# KiCad board pcb.kicad_pcb (continued)
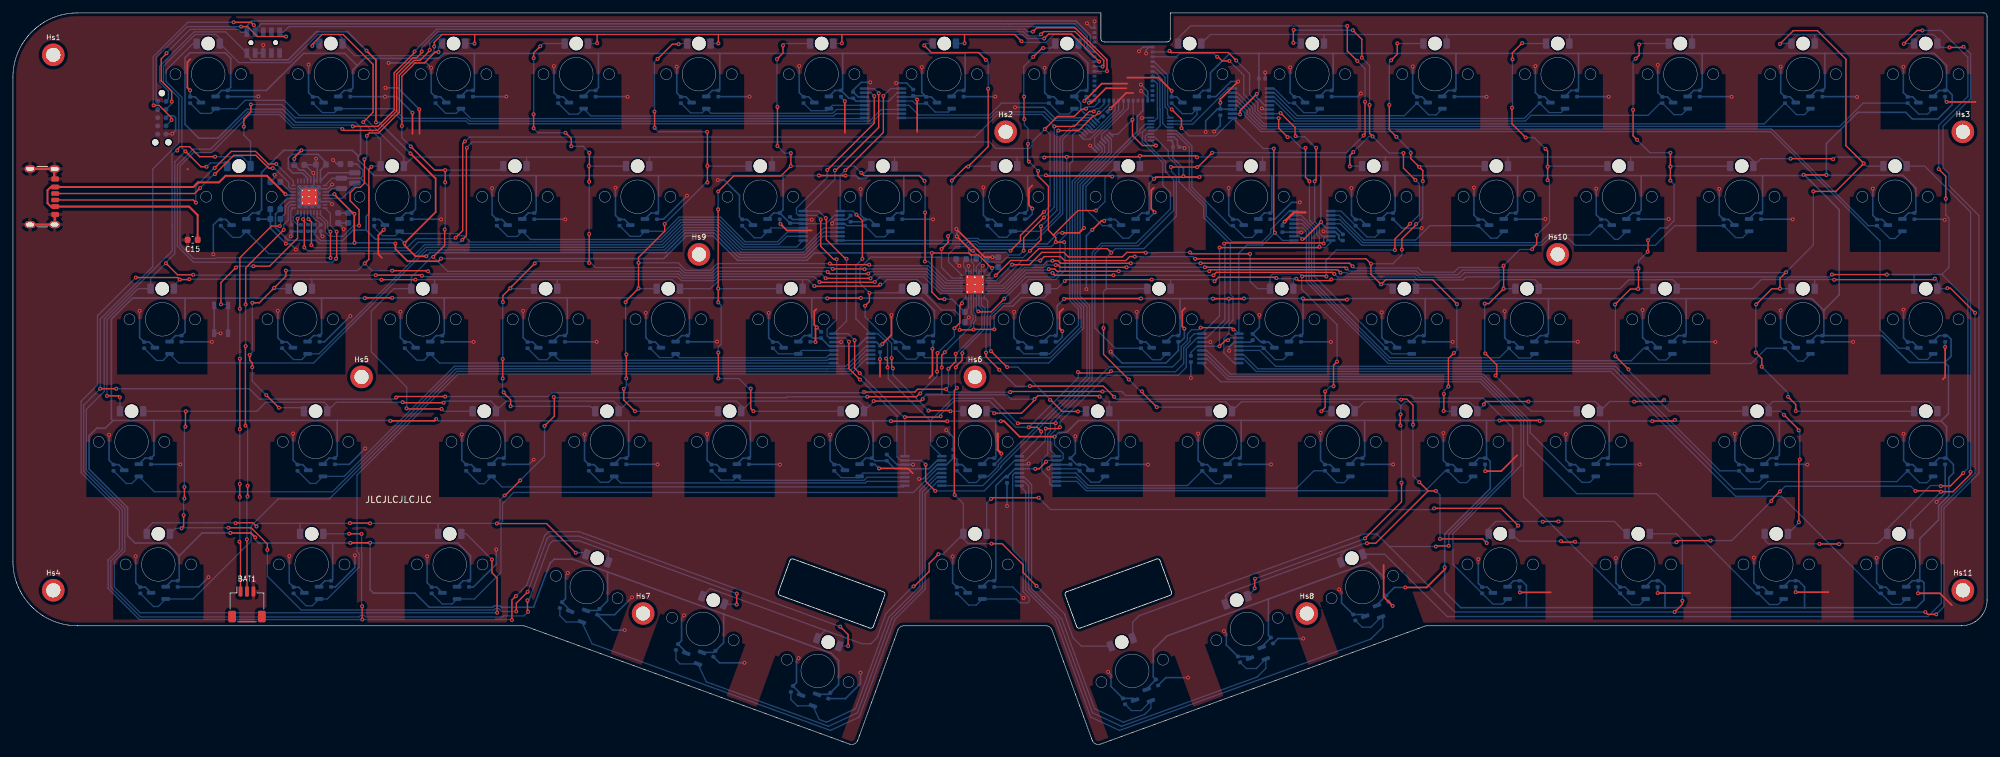
[diagram p0: board, top side]
## Routing (per net, layer and track width the routed paths; a pad name or vN(x,y) marks a point on that pad's centre or on a via; arc(x,y) is an arc through that point) (continued)
VCCS: length 2244.1
  Top w0.2: v1(188.19,62.61) 187.81,62.61 v1(186.87,61.67) ; v1(158.32,42.67) 158.93,42.67 160.01,43.76 v1(160.01,43.78)
  Top w0.25: v1(170.25,87.98) 170.14,88.09 160.07,88.09 v1(159.98,88.18) ; v1(128.95,88.13) 128.94,88.14 v1(124.82,88.14) ; v1(153.01,50.06) 153.52,50.06 155.92,47.66 v1(161.33,47.66) ; v1(135.98,50.08) 136.01,50.05 v1(144.71,50.05) ; v1(183.76,87.9) 181.32,87.9 181.28,87.93 v1(181.28,88.03) 181.15,87.9 177.01,87.9 v1(176.73,87.62) ; v1(221.75,27.41) 221.75,27.09 218.94,24.28 v1(215.64,24.28) ; v1(162.8,69) 162.88,69.07 v1(174.7,69.07) ; v1(230.24,50.17) 236.39,50.17 v1(236.47,50.09) ; v1(131.33,69.15) 126.16,69.15 v1(126.11,69.1) ; v1(54.51,69.14) 54.54,69.17 v1(58.74,69.17) ; v1(202.6,80.92) 202.6,80.91 199.98,78.3 v1(199.68,78.3) ; v1(185.86,69.05) v1(188.32,69.05) 190.63,69.05 v1(190.66,69.08) ; v1(253.88,50.05) 253.92,50.09 257.23,50.09 v1(257.4,50.26) ; v1(199.79,69.08) 199.97,68.9 v1(206.62,68.9) ; v1(52.24,31.2) 55.3,31.2 v1(55.32,31.22) ; v1(65.56,50.4) 65.27,50.11 v1(58.43,50.11) ; v1(192.65,100.79) 190.05,98.19 v1(190.05,97.61) ; v1(37.54,32.04) 36.86,32.73 33.66,32.73 v1(33.66,32.73) ; v1(43.58,90.7) 43.58,90.94 v1(44.68,92.05) ; v1(280.86,88.22) 277.36,88.22 v1(277.32,88.26)
  Bottom w0.2: v1(160.01,43.78) 160.21,43.97 MUXB8.2 162.35,43.97 162.65,44.27 162.65,45.03 161.32,46.37 161.32,47.65 v1(161.33,47.66) ; MUXB2.2 127.24,81.97 125.94,80.67 MUXB2.13 ; MUXB7.2 188.56,62.97 v1(188.19,62.61) ; v1(188.32,69.05) 188.32,65.68 186.87,64.23 v1(186.87,61.67) MUXB7.13 183.4,61.67 182.44,60.71 C19.2 ; MUXB1.2 136.96,100.97 135.66,99.67 MUXB1.13 ; MUXB8.13 v1(158.32,42.67)
  Bottom w0.25: v1(128.95,88.13) 130.62,88.13 131.06,87.69 132.08,87.69 132.52,88.13 137.97,88.13 ; TMR28.1 269.82,82.33 Cvcc28.1 270.98,82.56 270.98,88.14 ; 53.48,91.15 53.84,91.5 53.84,95.59 53.05,96.38 43.81,96.38 41.79,98.4 36.19,98.4 31.72,93.93 28.79,93.93 26.65,96.06 26.65,106.39 27.43,107.17 32.87,107.17 33.73,106.31 33.73,101.81 Cvcc1.1 ; 53.48,91.15 53.48,90.58 55.93,88.14 62.34,88.14 ; 53.48,91.15 52.58,92.05 v1(44.68,92.05) 41.94,92.05 38.51,88.62 38.51,82.84 Cvcc16.1 37.07,82.33 TMR16.1 ; 152.17,50.07 152.99,50.07 v1(153.01,50.06) ; 152.17,50.07 152.23,50.02 152.23,44.55 Cvcc51.1 151.07,44.33 TMR51.1 ; 152.17,50.07 144.74,50.07 v1(144.71,50.05) ; TMR21.1 136.82,82.33 Cvcc21.1 137.98,82.55 137.98,88.12 137.97,88.13 ; TMR1.1 32.32,101.33 Cvcc1.1 ; TMR33.1 84.57,63.33 Cvcc33.1 85.86,63.69 85.86,69.17 ; Cvcc55.1 228.31,44.33 228.8,43.84 228.8,39.6 221.75,32.55 v1(221.75,27.41) 221.75,23.64 224.24,21.15 234.41,21.15 ; Cvcc55.1 228.23,44.55 228.23,50.16 228.22,50.17 ; Cvcc55.1 227.07,44.33 TMR55.1 ; 15.46,50.17 21.85,50.17 ; 15.46,50.17 15.46,50.12 14.31,48.98 12.99,48.98 11.79,47.78 11.79,42.62 17.75,36.66 17.75,32.34 18.92,31.17 23.76,31.17 25.75,29.18 ; 15.46,50.17 15.25,50.38 15.25,65.86 18.52,69.14 26.66,69.14 ; 21.85,50.17 21.85,44.8 Cvcc45.1 20.44,44.33 TMR45.1 ; 21.85,50.17 50.23,50.17 ; 92.1,26.69 110.11,20.14 ; 92.1,26.69 92.1,26.69 92.1,22.22 Cvcc62.1 90.6,20.71 TMR62.1 ; 92.1,26.69 89.81,27.52 ; 110.11,20.14 126.74,14.08 127.88,12.95 127.88,9.22 Cvcc64.1 126.37,7.71 TMR64.1 ; 110.11,20.14 110.08,20.1 110.08,15.72 Cvcc63.1 108.57,14.21 TMR63.1 ; 81.04,88.14 99.98,88.14 ; 81.04,88.14 62.34,88.14 ; 81.04,88.14 81.04,82.62 Cvcc18.1 79.82,82.33 TMR18.1 ; 99.98,88.14 99.98,82.56 Cvcc19.1 98.82,82.33 TMR19.1 ; 99.98,88.14 119.28,88.14 ; 123.71,69.17 123.73,69.15 123.73,63.55 Cvcc35.1 ; 123.71,69.17 104.79,69.17 ; 123.71,69.17 126.04,69.17 v1(126.11,69.1) ; 47.81,69.14 47.81,63.64 Cvcc31.1 46.57,63.33 TMR31.1 ; 47.81,69.14 v1(54.51,69.14) ; 47.81,69.14 26.66,69.14 ; 133.22,50.11 135.95,50.11 v1(135.98,50.08) ; 133.22,50.11 133.23,50.1 133.23,44.55 Cvcc50.1 ; 133.22,50.11 114.23,50.11 ; TMR12.1 241.32,101.33 Cvcc12.1 242.48,101.55 242.48,107.01 242.41,107.07 ; TMR7.1 146.32,101.33 Cvcc7.1 147.48,101.55 147.48,107.05 ; v1(162.8,69) 161.73,67.92 161.73,63.55 Cvcc37.1 160.57,63.33 TMR37.1 ; Cvcc35.1 123.89,62.94 C4.2 126.44,61.67 MUXB3.13 130.87,61.67 132.17,62.97 MUXB3.2 ; Cvcc35.1 122.57,63.33 TMR35.1 ; TMR70.1 253.79,25.33 Cvcc70.1 255.03,25.33 255.86,24.5 255.86,21.15 ; TMR72.1 294.17,25.33 Cvcc72.1 ; Cvcc72.1 295.66,25.33 295.96,25.03 295.99,25.03 295.99,22.36 294.78,21.15 277.5,21.15 ; Cvcc72.1 295.33,25.55 295.33,31.85 298.24,34.76 298.24,36.95 299.83,38.55 299.83,41.31 300.54,42.02 300.54,43.35 299.56,44.33 Cvcc58.1 ; MUXB5.13 193.88,99.02 192.65,100.25 v1(192.65,100.79) 192.97,101.11 C17.2 192.97,107.04 193,107.07 ; 280.63,107.07 297.59,107.07 299.48,105.18 299.48,101.55 Cvcc15.1 ; 280.63,107.07 280.63,101.71 Cvcc14.1 279.32,101.33 TMR14.1 ; 280.63,107.07 261.63,107.07 ; 223.49,107.07 223.49,101.57 Cvcc11.1 222.32,101.33 TMR11.1 ; 223.49,107.07 242.41,107.07 ; 223.49,107.07 204.46,107.07 ; 273.58,50.07 273.58,44.78 Cvcc57.1 272.19,44.33 TMR57.1 ; 273.58,50.07 257.58,50.07 v1(257.4,50.26) ; 273.58,50.07 298.61,50.07 ; Cvcc58.1 299.48,44.55 299.48,49.21 298.61,50.07 ; Cvcc58.1 298.32,44.33 TMR58.1 ; Cvcc15.1 298.32,101.33 TMR15.1 ; Cvcc15.1 299.34,101.42 299.57,101.42 300.35,100.64 300.35,99.13 298.12,96.9 294.18,96.9 293.14,97.94 285.72,97.94 280.86,93.08 v1(280.86,88.22) 280.91,88.17 292.74,88.17 294.73,86.18 294.73,82.55 Cvcc29.1 293.57,82.33 TMR29.1 ; 62.34,88.14 62.35,88.13 62.35,82.92 Cvcc17.1 60.82,82.33 TMR17.1 ; 202.57,88.14 194.91,88.14 ; 202.57,88.14 214.06,88.14 ; 202.57,88.14 202.56,88.13 202.56,80.96 v1(202.6,80.92) 202.6,80.8 203.38,80.02 MUXB6.13 204.97,80.02 C18.2 ; 194.91,88.14 184,88.14 v1(183.76,87.9) ; 194.91,88.14 194.98,88.07 194.98,82.55 Cvcc24.1 193.82,82.33 TMR24.1 ; 71.47,107.07 90.69,107.07 ; 71.47,107.07 66.67,107.07 65.89,106.3 58.72,106.3 58.72,106.29 56.44,106.29 56.44,106.3 54.44,106.3 53.32,105.18 ; 71.47,107.07 71.48,107.07 71.48,101.55 Cvcc3.1 70.32,101.33 TMR3.1 ; 90.69,107.07 109.42,107.07 ; 90.69,107.07 90.69,101.77 Cvcc4.1 89.32,101.33 TMR4.1 ; 180.76,69.07 180.76,63.59 Cvcc38.1 179.57,63.33 TMR38.1 ; 180.76,69.07 185.83,69.07 v1(185.86,69.05) ; 180.76,69.07 v1(174.7,69.07) ; 242.41,107.07 261.63,107.07 ; 25.75,29.18 29.3,32.73 v1(33.66,32.73) ; 25.75,29.18 25.75,25.55 Cvcc59.1 24.59,25.33 TMR59.1 ; TMR43.1 279.32,63.33 Cvcc43.1 ; TMR6.1 127.32,101.33 Cvcc6.1 ; Cvcc6.1 128.26,101.33 129.47,100.12 C2.2 130.57,99.67 MUXB1.13 ; Cvcc6.1 128.51,101.59 128.51,107.07 ; TMR47.1 75.07,44.33 Cvcc47.1 76.23,44.55 76.23,50.09 76.21,50.11 ; 234.41,21.15 255.86,21.15 ; 234.41,21.15 234.41,24.58 233.66,25.33 Cvcc69.1 232.42,25.33 TMR69.1 ; 255.86,21.15 277.5,21.15 ; TMR40.1 217.57,63.33 Cvcc40.1 218.73,63.55 218.73,69.04 218.69,69.07 ; 193,107.07 204.46,107.07 ; 193,107.07 188.47,107.07 186.72,105.32 186.71,105.32 185.85,104.46 185.85,104.45 185.48,104.08 185.48,101.55 Cvcc9.1 184.32,101.33 TMR9.1 ; 119.28,88.14 119.28,82.86 Cvcc20.1 ; 119.28,88.14 v1(124.82,88.14) ; TMR26.1 231.82,82.33 Cvcc26.1 233.04,82.62 233.04,88.14 ; 214.06,88.14 214.06,82.64 Cvcc25.1 212.82,82.33 TMR25.1 ; 214.06,88.14 233.04,88.14 ; 109.42,107.07 109.48,107.02 109.48,101.55 Cvcc5.1 108.32,101.33 TMR5.1 ; 109.42,107.07 128.51,107.07 ; 76.21,50.11 65.85,50.11 v1(65.56,50.4) ; 76.21,50.11 95.36,50.11 ; 280.43,67.23 282.84,69.64 282.84,82.85 277.43,88.26 v1(277.32,88.26) 277.2,88.14 270.98,88.14 ; 280.43,67.23 280.48,67.18 280.48,63.55 Cvcc43.1 ; 280.43,67.23 278.59,69.07 259.14,69.07 ; 299.2,59.15 300.17,60.12 300.17,62.77 299.61,63.33 Cvcc44.1 298.32,63.33 TMR44.1 ; 299.2,59.15 299.77,58.58 299.77,51.23 298.61,50.07 ; 299.2,59.15 293.69,59.15 289.51,63.33 Cvcc43.1 ; Cvcc1.1 39.26,101.33 45.01,107.07 51.42,107.07 53.32,105.18 ; v1(253.88,50.05) 253.85,50.09 247.08,50.09 ; 261.63,107.07 261.63,101.71 Cvcc13.1 260.32,101.33 TMR13.1 ; TMR66.1 175.6,8.57 Cvcc66.1 176.61,10.42 176.61,14.63 178.76,16.78 194.49,22.51 ; v1(170.25,87.98) 170.35,88.08 176.27,88.08 v1(176.73,87.62) 175.98,86.86 175.98,82.55 Cvcc23.1 174.82,82.33 TMR23.1 ; v1(161.33,47.66) 162,48.32 163.2,48.32 165.04,50.17 171.16,50.17 ; 190.22,50.17 209.35,50.17 ; 190.22,50.17 190.23,50.16 190.23,44.55 Cvcc53.1 189.07,44.33 TMR53.1 ; 190.22,50.17 171.16,50.17 ; 209.35,50.17 228.22,50.17 ; 209.35,50.17 209.35,44.68 Cvcc54.1 208.07,44.33 TMR54.1 ; 66.81,69.17 85.86,69.17 ; 66.81,69.17 66.81,63.64 Cvcc32.1 65.57,63.33 TMR32.1 ; 66.81,69.17 v1(58.74,69.17) ; 85.86,69.17 104.79,69.17 ; TMR34.1 103.57,63.33 Cvcc34.1 104.79,63.62 104.79,69.17 ; 218.69,69.07 237.81,69.07 ; 218.69,69.07 206.79,69.07 v1(206.62,68.9) ; 237.81,69.07 237.81,63.64 Cvcc41.1 236.57,63.33 TMR41.1 ; 237.81,69.07 259.14,69.07 ; 137.97,88.13 157.16,88.13 ; 204.46,107.07 204.48,107.06 204.48,101.55 Cvcc10.1 203.32,101.33 TMR10.1 ; TMR52.1 170.07,44.33 Cvcc52.1 171.23,44.55 171.23,50.1 171.16,50.17 ; 95.36,50.11 95.36,44.69 Cvcc48.1 94.07,44.33 TMR48.1 ; 95.36,50.11 114.23,50.11 ; 277.5,21.15 277.48,21.17 277.48,24.38 276.53,25.33 Cvcc71.1 275.17,25.33 TMR71.1 ; 252.17,88.14 252.17,82.75 Cvcc27.1 250.82,82.33 TMR27.1 ; 252.17,88.14 233.04,88.14 ; 252.17,88.14 270.98,88.14 ; 49.53,31.17 52.21,31.17 v1(52.24,31.2) ; 49.53,31.17 49.53,25.58 Cvcc60.1 48.34,25.33 TMR60.1 ; 49.53,31.17 38.05,31.17 37.54,31.68 v1(37.54,32.04) ; MUXB6.2 199.25,78.72 v1(199.68,78.3) ; 259.14,69.07 259.14,63.59 Cvcc42.1 257.94,63.33 TMR42.1 ; 147.48,107.05 147.45,107.07 128.51,107.07 ; 147.48,107.05 147.6,107.17 164.86,107.17 166.48,105.55 166.48,101.55 Cvcc8.1 165.32,101.33 TMR8.1 165.38,99.41 165.38,98.36 166.19,97.55 167.02,97.55 MUXA1.16 168.63,97.35 C1.2 ; Cvcc68.1 213.95,24.28 v1(215.64,24.28) ; Cvcc68.1 211.25,21.57 TMR68.1 ; Cvcc68.1 212.29,23.39 212.29,25.91 210.04,28.16 194.49,22.51 ; 228.22,50.17 v1(230.24,50.17) ; v1(190.05,97.61) 189.95,97.72 MUXB5.2 ; 50.23,50.17 50.23,44.68 Cvcc46.1 48.94,44.33 TMR46.1 ; 50.23,50.17 58.37,50.17 v1(58.43,50.11) ; MUXB8.13 155.18,42.67 C20.2 153.65,41.46 152.23,40.03 152.23,25.55 Cvcc65.1 151.07,25.33 TMR65.1 ; v1(131.33,69.15) 140.76,69.15 142.73,67.18 142.73,63.55 Cvcc36.1 141.57,63.33 TMR36.1 ; TMR49.1 113.07,44.33 Cvcc49.1 114.23,44.56 114.23,50.11 ; TMR61.1 69.72,25.33 Cvcc61.1 70.88,25.55 70.88,29.18 68.89,31.17 55.37,31.17 v1(55.32,31.22) 55.32,23.93 55.84,23.41 62.27,23.41 64.47,21.21 74.32,21.21 74.54,21.43 75.44,21.43 75.66,21.21 80.63,21.21 83.19,28.04 83.81,28.66 86.69,28.66 89.84,27.51 ; TMR30.1 25.19,63.33 Cvcc30.1 26.66,63.86 26.66,69.14 ; TMR2.1 51.32,101.33 Cvcc2.1 52.65,101.73 52.65,104.51 53.32,105.18 ; v1(159.98,88.18) 159.93,88.13 157.16,88.13 ; v1(190.66,69.08) v1(199.79,69.08) 199.79,63.62 Cvcc39.1 198.57,63.33 TMR39.1 ; 194.49,22.51 194.44,22.46 194.44,16.89 Cvcc67.1 193.4,15.07 TMR67.1 ; TMR56.1 246.07,44.33 Cvcc56.1 247.23,44.55 247.23,49.94 247.08,50.09 ; MUXB2.13 122.3,80.76 C3.2 120.33,80.76 118.76,82.33 Cvcc20.1 ; 247.08,50.09 v1(236.47,50.09) ; v1(181.28,88.03) 181.28,89.25 179.66,90.87 C16.2 179.66,93.19 MUXA2.16 ; 157.16,88.13 157.16,82.74 Cvcc22.1 155.82,82.33 TMR22.1 ; Cvcc50.1 132.07,44.33 TMR50.1 ; Cvcc50.1 133.08,44.33 133.48,43.93 C5.2 136.61,42.67 MUXB4.13 141.84,42.67 143.14,43.97 MUXB4.2 ; Cvcc20.1 117.82,82.33 TMR20.1 ; v1(43.58,90.7) 43.57,90.69 C23.1 44.37,88.98 45.02,88.98 46.12,87.88 PMIC1.29
/AIN0: length 8.2
  Bottom w0.2: MUXA1.4 168.59,93.86 168.59,94.44 171.58,97.43 171.61,97.43 172.75,98.57 M1.23 ; 172.75,99.93 172.74,99.94
/AIN1: length 9.4
  Bottom w0.2: 172,99.93 171.99,99.94 ; MUXA1.7 167.53,92.8 167.53,93.95 171.42,97.83 171.44,97.83 172,98.39 M1.22
/AIN2: length 9.3
  Bottom w0.2: M1.21 171.25,98.23 166.79,93.77 165.85,93.77 MUXA1.9 ; 171.25,99.93 171.24,99.94
/AIN3: length 7.4
  Bottom w0.2: M1.20 170.5,99.07 170.7,98.88 170.7,98.25 167.29,94.83 166.91,94.83 MUXA1.12 ; 170.5,99.93 170.49,99.94
/AIN4: length 9.2
  Bottom w0.2: M1.35 176.76,105.05 178.44,103.37 178.44,98.78 178.82,98.4 178.82,97.53 MUXA2.9
/AIN5: length 10.3
  Bottom w0.2: M1.34 176.75,104.3 178.04,103.01 178.04,98.65 178.07,98.61 178.07,96.22 178.69,95.6 MUXA2.12
/AIN6: length 10.1
  Bottom w0.2: 176.49,103.74 176.5,103.75 ; M1.33 176.77,103.55 177.64,102.68 177.64,98.48 177.67,98.45 177.67,95.86 176.91,95.1 MUXA2.4
/AIN7: length 7.5
  Bottom w0.2: MUXA2.7 176.81,96.6 177.27,97.06 177.27,98.28 177.24,98.31 177.24,102.38 176.82,102.8 M1.32 ; 176.49,102.99 176.5,103
/ANA_01: length 113.8
  Bottom w0.2: Cvout1.1 29.05,97.77 30.66,97.77 TMR1.2 34.67,98.5 35.97,99.8 42.02,99.8 44.34,97.48 59.44,97.48 60.32,96.6 70.15,96.6 70.59,96.16 132.11,96.16 132.12,96.17 132.86,96.17 134.41,97.72 MUXB1.7
/ANA_02: length 93.6
  Bottom w0.2: Cvout2.1 47.92,97.9 49.79,97.9 TMR2.2 58.99,98.5 60.49,97 70.32,97 70.75,96.56 131.95,96.56 131.95,96.57 132.69,96.57 134.49,98.37 MUXB1.6
/ANA_03: length 68.1
  Bottom w0.2: MUXB1.9 131.78,96.97 70.92,96.97 TMR3.2 68.67,97.78 67.04,97.78 Cvout3.1
/ANA_04: length 49.1
  Bottom w0.2: Cvout4.1 86.17,97.65 87.54,97.65 TMR4.2 89.52,97.37 127.13,97.37 127.48,97.72 MUXB1.10
/ANA_05: length 29.9
  Bottom w0.2: Cvout5.1 104.97,97.85 106.75,97.85 107.39,98.48 TMR5.2 108.11,97.78 126.97,97.78 127.57,98.37 MUXB1.11
/ANA_06: length 10.3
  Bottom w0.2: MUXB1.12 126.91,99.02 TMR6.2 126.08,98.19 123.61,98.19 122.45,99.35 Cvout6.1
/ANA_07: length 8.8
  Bottom w0.2: TMR7.2 144.86,97.97 142.85,97.97 Cvout7.1 141.14,99.37 141.03,99.26 139.77,99.26 139.36,99.67 MUXB1.4
/ANA_08: length 29.2
  Bottom w0.2: TMR8.2 163.56,97.67 162.14,97.67 160.45,99.36 Cvout8.1 153.12,99.37 151.28,97.53 140.27,97.53 138.78,99.02 MUXB1.5
/ANA_09: length 10.4
  Bottom w0.2: MUXA2.10 182.41,96.6 183.39,97.57 TMR9.2 182.62,97.73 181.09,97.73 Cvout9.1
/ANA_10: length 9.6
  Bottom w0.2: MUXB5.9 195.35,101.62 197.6,99.37 Cvout10.1 199.94,97.88 201.77,97.88 TMR10.2
/ANA_11: length 30.2
  Bottom w0.2: MUXB5.10 195.35,100.97 198.9,97.42 215.5,97.42 Cvout11.1 219.27,97.55 220.44,97.55 TMR11.2
/ANA_12: length 49
  Bottom w0.2: TMR12.2 239.79,97.9 237.92,97.9 Cvout12.1 234.07,96.99 198.68,96.99 195.35,100.32 MUXB5.11
/ANA_13: length 68.3
  Bottom w0.2: MUXB5.12 195.35,99.67 198.43,96.59 234.24,96.59 235.12,97.47 253.24,97.47 255.14,99.37 Cvout13.1 257.24,97.58 258.47,97.58 TMR13.2
/ANA_14: length 94.4
  Bottom w0.2: TMR14.2 277.47,97.58 276.24,97.58 Cvout14.1 271.23,96.15 193.77,96.15 191.98,97.93 191.98,98.62 189.62,100.97 MUXB5.7
/ANA_15: length 113.3
  Bottom w0.2: TMR15.2 296.55,97.66 295.16,97.66 Cvout15.1 286.55,99.37 282.93,95.75 193.6,95.75 191.58,97.77 191.58,98.37 189.62,100.32 MUXB5.6
/ANA_16: length 103.3
  Bottom w0.2: MUXB2.5 125.64,80.02 122.29,76.67 112.91,76.67 109.09,80.49 103.66,80.49 100.58,77.41 63.76,77.41 62.36,76.01 39.63,76.01 TMR16.2 35.19,78.55 34.02,78.55 Cvout16.1
/ANA_17: length 71.5
  Bottom w0.2: MUXB2.9 121.38,77.07 113.08,77.07 109.26,80.89 103.49,80.89 100.43,77.83 70.85,77.83 69.86,78.82 69.17,78.82 68.84,79.15 60.24,79.15 TMR17.2 59.2,78.81 57.23,78.81 55.95,80.09 Cvout17.1
/ANA_18: length 52.4
  Bottom w0.2: MUXB2.10 119.86,78.72 118.61,77.47 113.24,77.47 109.42,81.29 103.33,81.29 100.27,78.23 80.16,78.23 TMR18.2 78.08,78.69 76.63,78.69 Cvout18.1
/ANA_19: length 32.6
  Bottom w0.2: Cvout19.1 95.61,78.71 97.1,78.71 TMR19.2 100.97,79.5 103.16,81.69 109.59,81.69 113.41,77.87 118.44,77.87 119.95,79.37 MUXB2.11
/ANA_20: length 10.9
  Bottom w0.2: MUXB2.12 117.41,80.02 TMR20.2 115.88,78.49 114.83,78.49 Cvout20.1
/ANA_21: length 8.8
  Bottom w0.2: 131.75,80.37 129.15,80.37 128.85,80.67 MUXB2.4 ; Cvout21.1 133.67,78.65 135.04,78.65 TMR21.2
/ANA_22: length 30.8
  Bottom w0.2: Cvout22.1 152.75,78.57 153.94,78.57 154.87,79.5 TMR22.2 159.31,79.5 162.17,82.36 162.17,93.91 164.24,95.98 166.47,95.98 MUXA1.13
/ANA_23: length 27.9
  Bottom w0.2: MUXA2.6 175.37,96.1 174.52,95.25 174.52,94.78 166.19,86.45 166.19,82.9 168.72,80.37 Cvout23.1 171.89,78.43 172.82,78.43 TMR23.2
/ANA_24: length 24.6
  Bottom w0.2: TMR24.2 191.93,78.54 190.78,78.54 Cvout24.1 188.55,80.37 182.59,86.32 182.59,92.72 180.21,95.1 MUXA2.13
/ANA_25: length 9.8
  Bottom w0.2: TMR25.2 211.01,78.62 209.7,78.62 Cvout25.1 205.69,82.62 MUXB6.9
/ANA_26: length 30.5
  Bottom w0.2: MUXB6.10 205.41,81.97 209.24,78.14 217.24,78.14 219.47,80.37 Cvout26.1 228.89,78.43 229.82,78.43 TMR26.2
/ANA_27: length 49.8
  Bottom w0.2: MUXB6.11 205.49,81.32 209.08,77.74 236.59,77.74 237.79,78.94 244.21,78.94 245.64,80.37 Cvout27.1 248.08,78.24 248.63,78.24 TMR27.2
/ANA_28: length 69.6
  Bottom w0.2: TMR28.2 267.91,78.52 266.8,78.52 Cvout28.1 257.4,80.37 254.35,77.32 241.97,77.32 240.75,78.54 238.01,78.54 236.81,77.34 217.75,77.34 217.71,77.3 217.37,77.3 217.33,77.34 208.91,77.34 205.58,80.67 MUXB6.12
/ANA_29: length 113.3
  Bottom w0.2: TMR29.2 291.52,78.38 290.69,78.38 Cvout29.1 287.34,80.37 272.36,95.35 193.44,95.35 191.18,97.6 191.18,98.12 189.62,99.67 MUXB5.5
/ANA_30: length 120.9
  Bottom w0.2: MUXB2.7 125.48,78.72 122.62,75.87 112.58,75.87 108.79,79.66 103.96,79.66 100.91,76.61 69.96,76.61 64.09,76.61 46.57,59.09 25.67,59.09 TMR30.2 23.23,59.47 22.23,59.47 Cvout30.1
/ANA_31: length 98.5
  Bottom w0.2: MUXB2.6 125.56,79.37 122.46,76.27 112.75,76.27 108.95,80.06 103.8,80.06 100.74,77.01 69.79,77.01 63.92,77.01 47.41,60.5 TMR31.2 44.75,59.61 43.46,59.61 Cvout31.1
/ANA_32: length 68.2
  Bottom w0.2: Cvout32.1 62.55,59.52 63.66,59.52 TMR32.2 66.06,59.07 MUXB3.9
/ANA_33: length 49.1
  Bottom w0.2: MUXB3.10 126.4,59.72 126.17,59.49 84.64,59.49 TMR33.2 82.72,59.58 81.49,59.58 Cvout33.1
/ANA_34: length 29.7
  Bottom w0.2: MUXB3.11 126.45,60.37 125.98,59.89 103.24,59.89 TMR34.2 102.06,59.92 100.15,59.92 Cvout34.1
/ANA_35: length 10
  Bottom w0.2: Cvout35.1 118.57,60.5 TMR35.2 122.16,61.02 MUXB3.12
/ANA_36: length 62.7
  Bottom w0.2: MUXA1.6 168.68,92.36 168.68,91.85 164.08,87.26 164.08,68.93 165.43,67.59 165.43,64.64 160.68,59.89 141.24,59.89 TMR36.2 139.82,59.68 138.39,59.68 Cvout36.1
/ANA_37: length 43.8
  Bottom w0.2: Cvout37.1 156.57,60.5 TMR37.2 160.57,60.5 165.03,64.95 165.03,67.42 163.68,68.77 163.68,89.92 164.14,90.38 164.14,94.44 164.62,94.92 165.41,94.92 MUXA1.10
/ANA_38: length 54.4
  Bottom w0.2: TMR38.2 177.72,59.58 176.49,59.58 Cvout38.1 170.71,61.37 167.56,64.52 167.56,76.05 168.76,77.25 174.27,77.25 179.78,82.76 179.78,87.44 178.53,88.69 178.53,90.26 175.37,93.42 175.37,94.27 175.69,94.6 MUXA2.3
/ANA_39: length 9
  Bottom w0.2: TMR39.2 196.74,59.6 195.47,59.6 Cvout39.1 193.4,61.67 MUXB7.4
/ANA_40: length 31.5
  Bottom w0.2: MUXB6.7 199.5,81.97 201.53,79.94 201.53,72.54 Cvout40.1 213.57,60.5 TMR40.2
/ANA_41: length 52.2
  Bottom w0.2: MUXB6.6 199.59,81.32 201.13,79.78 201.13,72 213.23,59.89 230.23,59.89 Cvout41.1 233.22,59.85 234.99,59.85 TMR41.2
/ANA_42: length 73.9
  Bottom w0.2: MUXB6.5 199.67,80.67 200.73,79.61 200.73,71.83 213.14,59.43 250.64,59.43 252.58,61.37 Cvout42.1 254.9,59.55 256.06,59.55 TMR42.2
/ANA_43: length 95.5
  Bottom w0.2: MUXB6.4 199.75,80.02 200.33,79.44 200.33,71.66 213,59 269.21,59 271.58,61.37 Cvout43.1 276.44,59.38 277.27,59.38 TMR43.2
/ANA_44: length 133.5
  Bottom w0.2: TMR44.2 296.52,59.63 295.19,59.63 Cvout44.1 292.07,61.37 289.17,64.27 289.17,77.97 272.2,94.94 271.71,94.94 271.7,94.95 193.27,94.95 190.78,97.44 190.78,97.87 189.62,99.02 MUXB5.4
/ANA_45: length 128.6
  Bottom w0.2: MUXB3.5 132.13,61.02 129.28,58.18 128.12,58.18 128.11,58.17 126.17,58.17 126.16,58.18 68.56,58.18 49.5,39.12 21.89,39.12 TMR45.2 18.41,40.4 17.55,40.4 Cvout45.1
/ANA_46: length 98.4
  Bottom w0.2: MUXB3.4 132.13,61.67 129.03,58.58 127.95,58.58 127.94,58.57 126.33,58.57 126.33,58.58 68.37,58.58 51.29,41.5 TMR46.2 46.92,40.41 46.03,40.41 Cvout46.1
/ANA_47: length 70
  Bottom w0.2: MUXB4.9 137.94,39.87 75.76,39.87 TMR47.2 73.01,40.37 72.2,40.37 Cvout47.1
/ANA_48: length 50.6
  Bottom w0.2: Cvout48.1 90.97,40.6 92.26,40.6 93.14,41.47 TMR48.2 94.14,40.49 132.01,40.49 132.23,40.72 MUXB4.10
/ANA_49: length 31.2
  Bottom w0.2: MUXB4.11 132.32,41.37 131.84,40.89 112.74,40.89 TMR49.2 112.14,41.47 111.59,40.93 109.64,40.93 Cvout49.1
/ANA_50: length 11.7
  Bottom w0.2: Cvout50.1 128.26,41.31 130.97,41.31 131.14,41.47 TMR50.2 131.66,42.02 MUXB4.12
/ANA_51: length 67.4
  Bottom w0.2: Cvout51.1 148.02,40.55 149.19,40.55 TMR51.2 151.07,41.5 152.61,43.04 152.61,43.31 166.34,57.04 166.34,67.8 164.88,69.26 164.88,86.92 169.74,91.78 169.74,93.42 MUXA1.3
/ANA_52: length 8.8
  Bottom w0.2: TMR52.2 168.24,40.6 166.97,40.6 Cvout52.1 164.9,42.67 MUXB8.4
/ANA_53: length 29.6
  Bottom w0.2: MUXB8.5 164.61,42.02 166.54,40.09 181.92,40.09 Cvout53.1 186.19,40.38 187.02,40.38 TMR53.2
/ANA_54: length 48.5
  Bottom w0.2: TMR54.2 206.17,40.53 205.04,40.53 Cvout54.1 201.5,42.37 198.82,39.69 166.38,39.69 164.69,41.37 MUXB8.6
/ANA_55: length 67.6
  Bottom w0.2: TMR55.2 225.18,40.54 224.03,40.54 Cvout55.1 221.84,42.37 218.76,39.29 166.21,39.29 164.78,40.72 MUXB8.7
/ANA_56: length 70.9
  Bottom w0.2: MUXB7.12 184.87,61.02 188.53,57.37 227.7,57.37 234.98,50.08 234.98,48.27 240.88,42.37 Cvout56.1 243,40.57 244.21,40.57 TMR56.2
/ANA_57: length 90.2
  Bottom w0.2: MUXB7.5 193.11,61.02 195.56,58.57 248.17,58.57 264.37,42.37 Cvout57.1 269.06,40.63 270.39,40.63 TMR57.2
/ANA_58: length 118.5
  Bottom w0.2: MUXB7.6 190.6,60.37 192.8,58.17 247.88,58.17 266.48,39.57 270.64,39.57 271.77,40.7 291.78,40.7 Cvout58.1 295.29,40.53 296.42,40.53 TMR58.2
/ANA_59: length 131.5
  Bottom w0.2: Cvout59.1 21.77,21.33 22.49,21.33 TMR59.2 27.91,22.5 36.89,31.48 36.89,33.82 41.07,38 48.98,38 68.76,57.78 125.99,57.78 126,57.77 128.28,57.77 128.28,57.78 129.53,57.78 132.13,60.37 MUXB3.6
/ANA_60: length 114.9
  Bottom w0.2: Cvout60.1 45.4,21.45 46.36,21.45 TMR60.2 48.69,22.5 53.61,27.42 53.61,29.52 53.28,29.85 53.28,41.7 68.96,57.38 125.83,57.38 125.83,57.37 128.44,57.37 128.45,57.38 129.78,57.38 132.13,59.72 MUXB3.7
/ANA_61: length 94.5
  Bottom w0.2: Cvout61.1 66.49,21.73 68.02,21.73 TMR61.2 71.47,22.5 75.58,26.6 75.58,34.27 75.83,34.52 75.83,37.29 77.55,39.01 139.46,39.01 143.13,42.67 MUXB4.4
/ANA_62: length 93.8
  Bottom w0.2: Cvout62.1 84.71,19.91 85.7,18.93 TMR62.2 89.69,15.56 126.61,2.12 131.1,4.21 136.61,19.35 141.28,24.02 141.28,38.8 143.21,40.72 MUXB4.7
/ANA_63: length 74.5
  Bottom w0.2: MUXB4.6 143.13,41.37 140.85,39.1 140.85,24.21 136.11,19.47 136.11,19.45 130.8,4.85 126.31,2.76 107.39,9.65 TMR63.2 103.32,12.43 102.69,13.06 Cvout63.1
/ANA_64: length 54.8
  Bottom w0.2: Cvout64.1 120.49,6.91 121.51,5.89 121.55,5.93 TMR64.2 124.88,3.81 126.01,3.4 130.5,5.49 135.66,19.67 140.45,24.46 140.45,39.28 143.19,42.02 MUXB4.5
/ANA_65: length 34.5
  Bottom w0.2: Cvout65.1 148.02,21.55 149.19,21.55 TMR65.2 155.37,22.5 155.97,21.9 157.17,21.9 157.42,22.15 157.42,22.66 156.44,23.64 156.44,24.18 156.45,24.19 156.45,28.53 154.85,30.13 154.85,41.72 155.15,42.02 MUXB8.12
/ANA_66: length 55.9
  Bottom w0.2: MUXB8.11 156.62,41.37 157.77,40.23 157.77,24.08 162.43,19.43 167.5,5.49 171.99,3.4 175.26,4.59 175.28,4.59 176.25,5.56 TMR66.2 174.74,5.2 173.23,5.2 Cvout66.1
/ANA_67: length 75.5
  Bottom w0.2: Cvout67.1 191.01,11.72 192.61,11.72 192.61,11.77 TMR67.2 194.05,11.75 192.75,10.46 192.75,10.43 171.69,2.76 167.2,4.85 161.91,19.37 157.32,23.97 157.32,40.03 156.62,40.72 MUXB8.10
/ANA_68: length 94.9
  Bottom w0.2: MUXB8.9 156.86,39.1 156.86,23.86 161.4,19.32 166.9,4.21 171.39,2.12 210.3,16.28 212.17,18.15 212.17,19.44 TMR68.2 210.32,18.13 208.95,18.13 Cvout68.1
/ANA_69: length 90.9
  Bottom w0.2: MUXB7.9 187.04,56.17 227.2,56.17 233.57,49.79 233.57,43.21 223.03,32.67 223.03,27.89 Cvout69.1 229.21,21.71 230.7,21.71 TMR69.2
/ANA_70: length 91.7
  Bottom w0.2: TMR70.2 251.96,21.6 250.69,21.6 Cvout70.1 248.95,23.37 233.97,38.34 233.97,49.96 227.37,56.57 188.11,56.57 184.96,59.72 MUXB7.10
/ANA_71: length 108.5
  Bottom w0.2: MUXB7.11 184.87,60.37 188.28,56.97 227.53,56.97 234.58,49.92 234.58,46.45 242.21,38.82 254.54,38.82 269.99,23.37 Cvout71.1 272.03,21.64 273.38,21.64 TMR71.2
/ANA_72: length 119.5
  Bottom w0.2: MUXB7.7 190.6,59.72 192.55,57.77 247.46,57.77 266.81,38.42 273.94,38.42 288.99,23.37 Cvout72.1 291.01,21.66 292.4,21.66 TMR72.2
/CS0: length 168.8
  Top w0.2: v1(172.82,56.52) 168.91,60.43 v1(168.91,64.49) ; v1(174.86,54.69) 174.92,54.63 174.92,54.48 v1(177.16,52.24) ; v1(209.41,99.58) 209.41,94.56 v1(209.19,94.34) ; v1(179.34,89.46) 183.39,89.46 v1(183.41,89.44) 183.51,89.44 v1(185.74,91.67) ; v1(170.12,76.18) 169.49,76.81 158.88,76.81 157.05,74.98 154.53,74.98 v1(152.21,72.66) ; v1(206.66,111.33) 206.66,107.46 v1(208.22,105.9)
  Bottom w0.2: v1(177.16,52.24) 184.56,52.24 D53.1 ; v1(174.86,54.69) 174.65,54.69 v1(172.82,56.52) ; v1(168.91,64.49) 168.91,70.16 169.34,70.59 ; v1(206.66,111.33) 182.38,111.33 180.45,109.4 D9.1 ; v1(209.19,94.34) 206.52,91.67 v1(185.74,91.67) ; D38.1 169.35,70.6 169.34,70.59 ; v1(152.21,72.66) 151.8,72.25 LEDDR1.2 ; D24.1 183.57,89.6 v1(183.41,89.44) ; 169.34,70.59 169.34,75.41 170.73,76.8 175.15,76.8 180.18,81.83 180.18,88.01 179.43,88.76 179.43,89.37 v1(179.34,89.46) ; v1(208.22,105.9) 209.41,104.71 v1(209.41,99.58)
/CS1: length 163.9
  Top w0.2: v1(191.61,76) 182.52,76 v1(182.3,76.22) ; v1(203.23,54.67) 203.23,52.18 v1(202.64,51.59) ; v1(214.03,76.59) 214.03,78.3 v1(216.4,80.66) ; v1(210.58,94.2) 210.11,94.67 v1(210.11,99.09) ; v1(198.36,110.73) 198.31,110.68 v1(198.31,108.7) ; v1(199.66,72.5) 199.76,72.59 203.33,72.59 v1(203.43,72.49) ; v1(208.92,106.39) 208.92,109.25 v1(207.51,110.66) ; v1(215.36,91.63) 215.36,89.29 v1(217.22,87.43) ; v1(207.59,91.78) 207.05,91.24 v1(207.05,89.55) ; v1(154.74,74.33) 157.44,74.33 159.34,76.23 162.76,76.23 163.46,75.53 171.82,75.53 172.52,76.23 175.39,76.23 v1(175.45,76.17) ; v1(205.08,59.29) 204.53,58.74 v1(204.53,55.46)
  Bottom w0.2: v1(207.59,91.78) 210.01,94.2 v1(210.58,94.2) 213.15,91.63 v1(215.36,91.63) ; v1(207.05,89.55) 207.1,89.6 D25.1 ; v1(203.23,54.67) 204.03,55.47 204.52,55.47 v1(204.53,55.46) ; D54.1 202.65,51.6 v1(202.64,51.59) ; v1(217.22,87.43) 217.83,86.82 217.83,82.1 v1(216.4,80.66) ; v1(175.45,76.17) 177.2,76.17 177.25,76.22 v1(182.3,76.22) ; LEDDR1.3 152.26,71.85 v1(154.74,74.33) ; v1(207.51,110.66) 198.43,110.66 v1(198.36,110.73) ; v1(208.92,106.39) 210.11,105.2 v1(210.11,99.09) ; v1(203.43,72.49) 203.37,72.55 203.37,75 204.96,76.59 v1(214.03,76.59) ; v1(198.31,108.7) 199.35,108.7 D10.1 ; v1(191.61,76) 191.61,71.74 192.75,70.6 D39.1 194.7,72.48 195.11,72.89 199.28,72.89 v1(199.66,72.5) 199.6,72.44 199.6,70.49 205.08,65.01 v1(205.08,59.29)